# Altium PCB S7V10Logger.PcbDoc (part 1 of 2)
Units mm, origin at the board's own origin, x right, y up, seen from the top; angles counter-clockwise.
Board outline 60 x 71.5 mm, 4 copper layers (Top Layer, Ground Plane, Signal Layer 1, Bottom Layer), stack 2.08 mm thick; 77 components, 77 nets, 408 pads, 154 vias.
Unrouted connection lines stored in the file: 2.
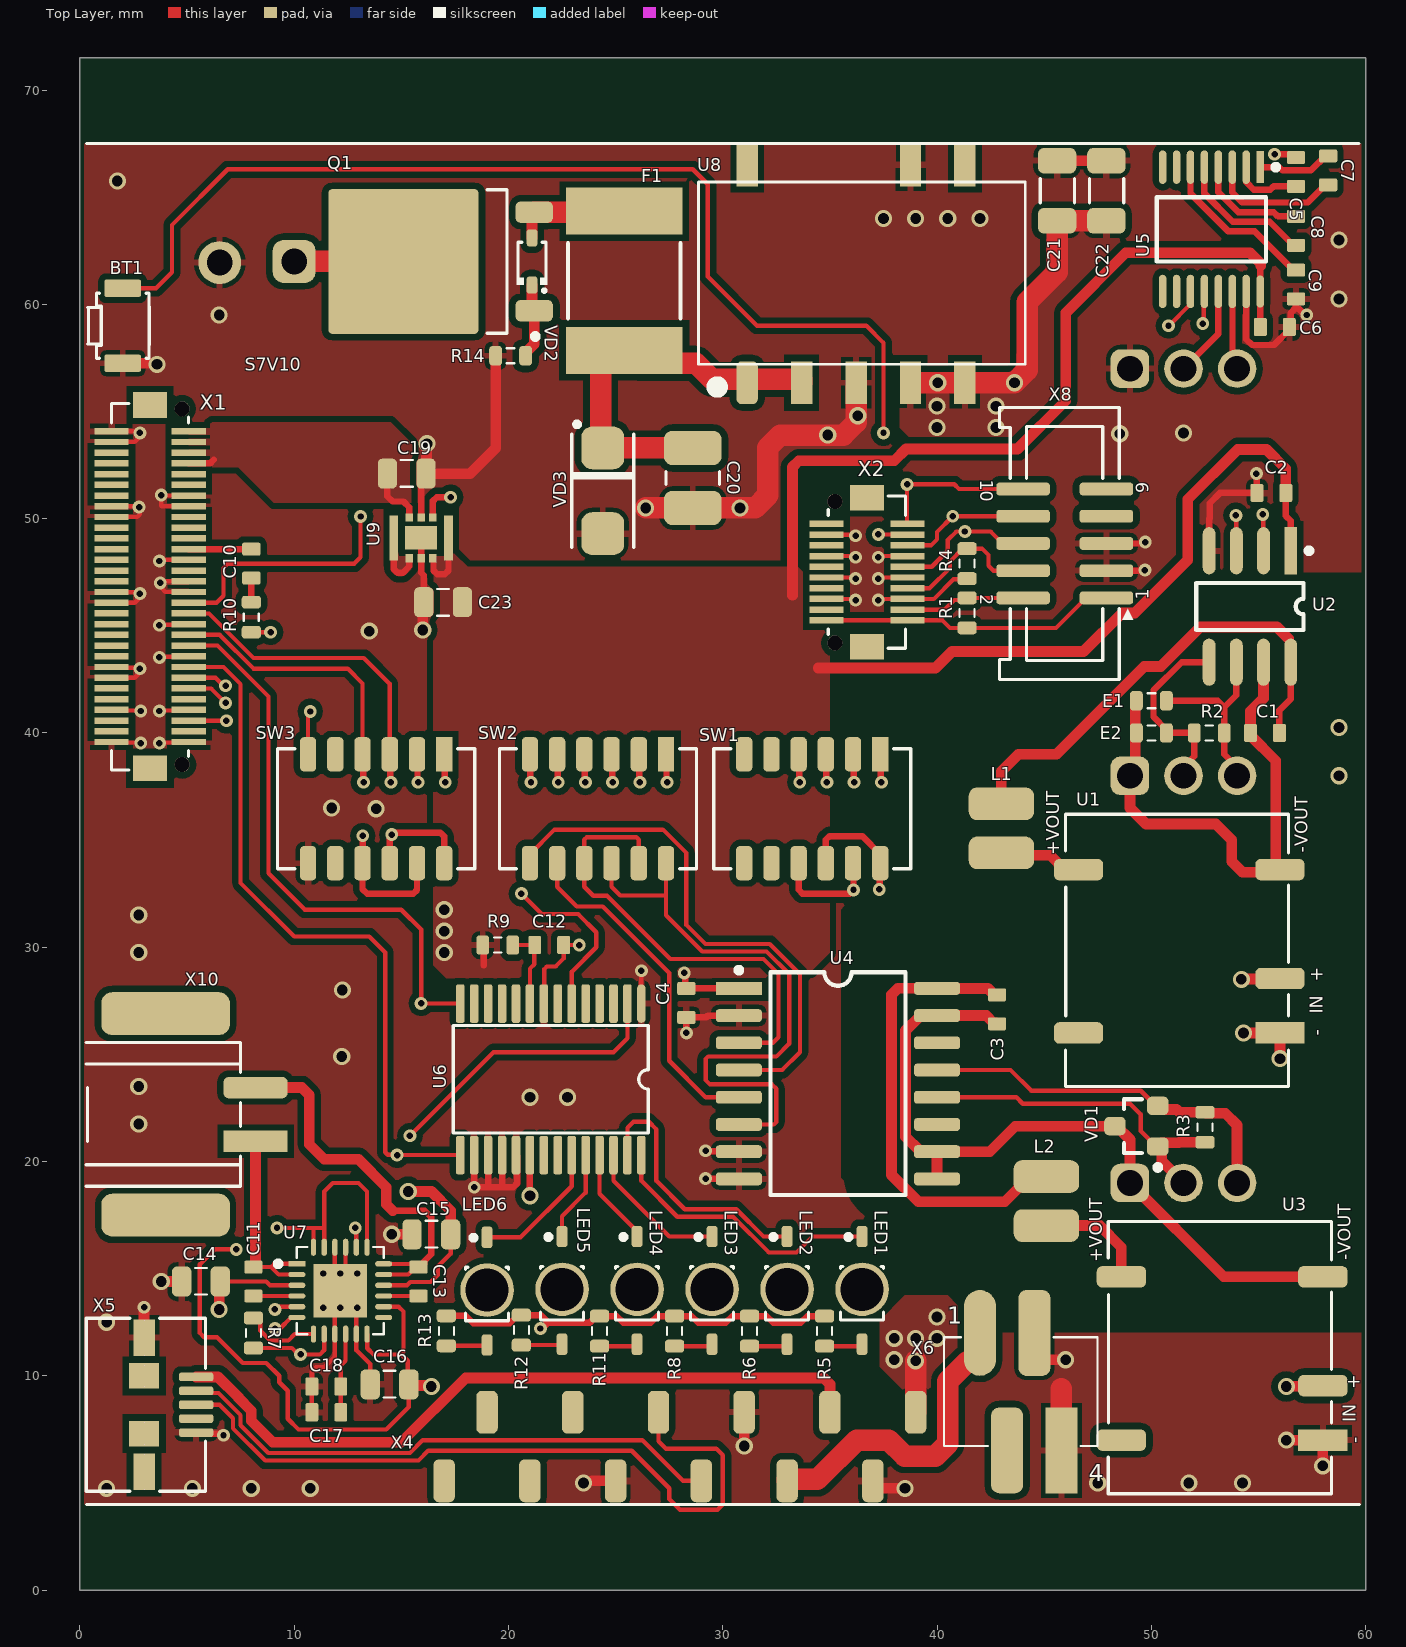
[diagram p0: Top Layer view]
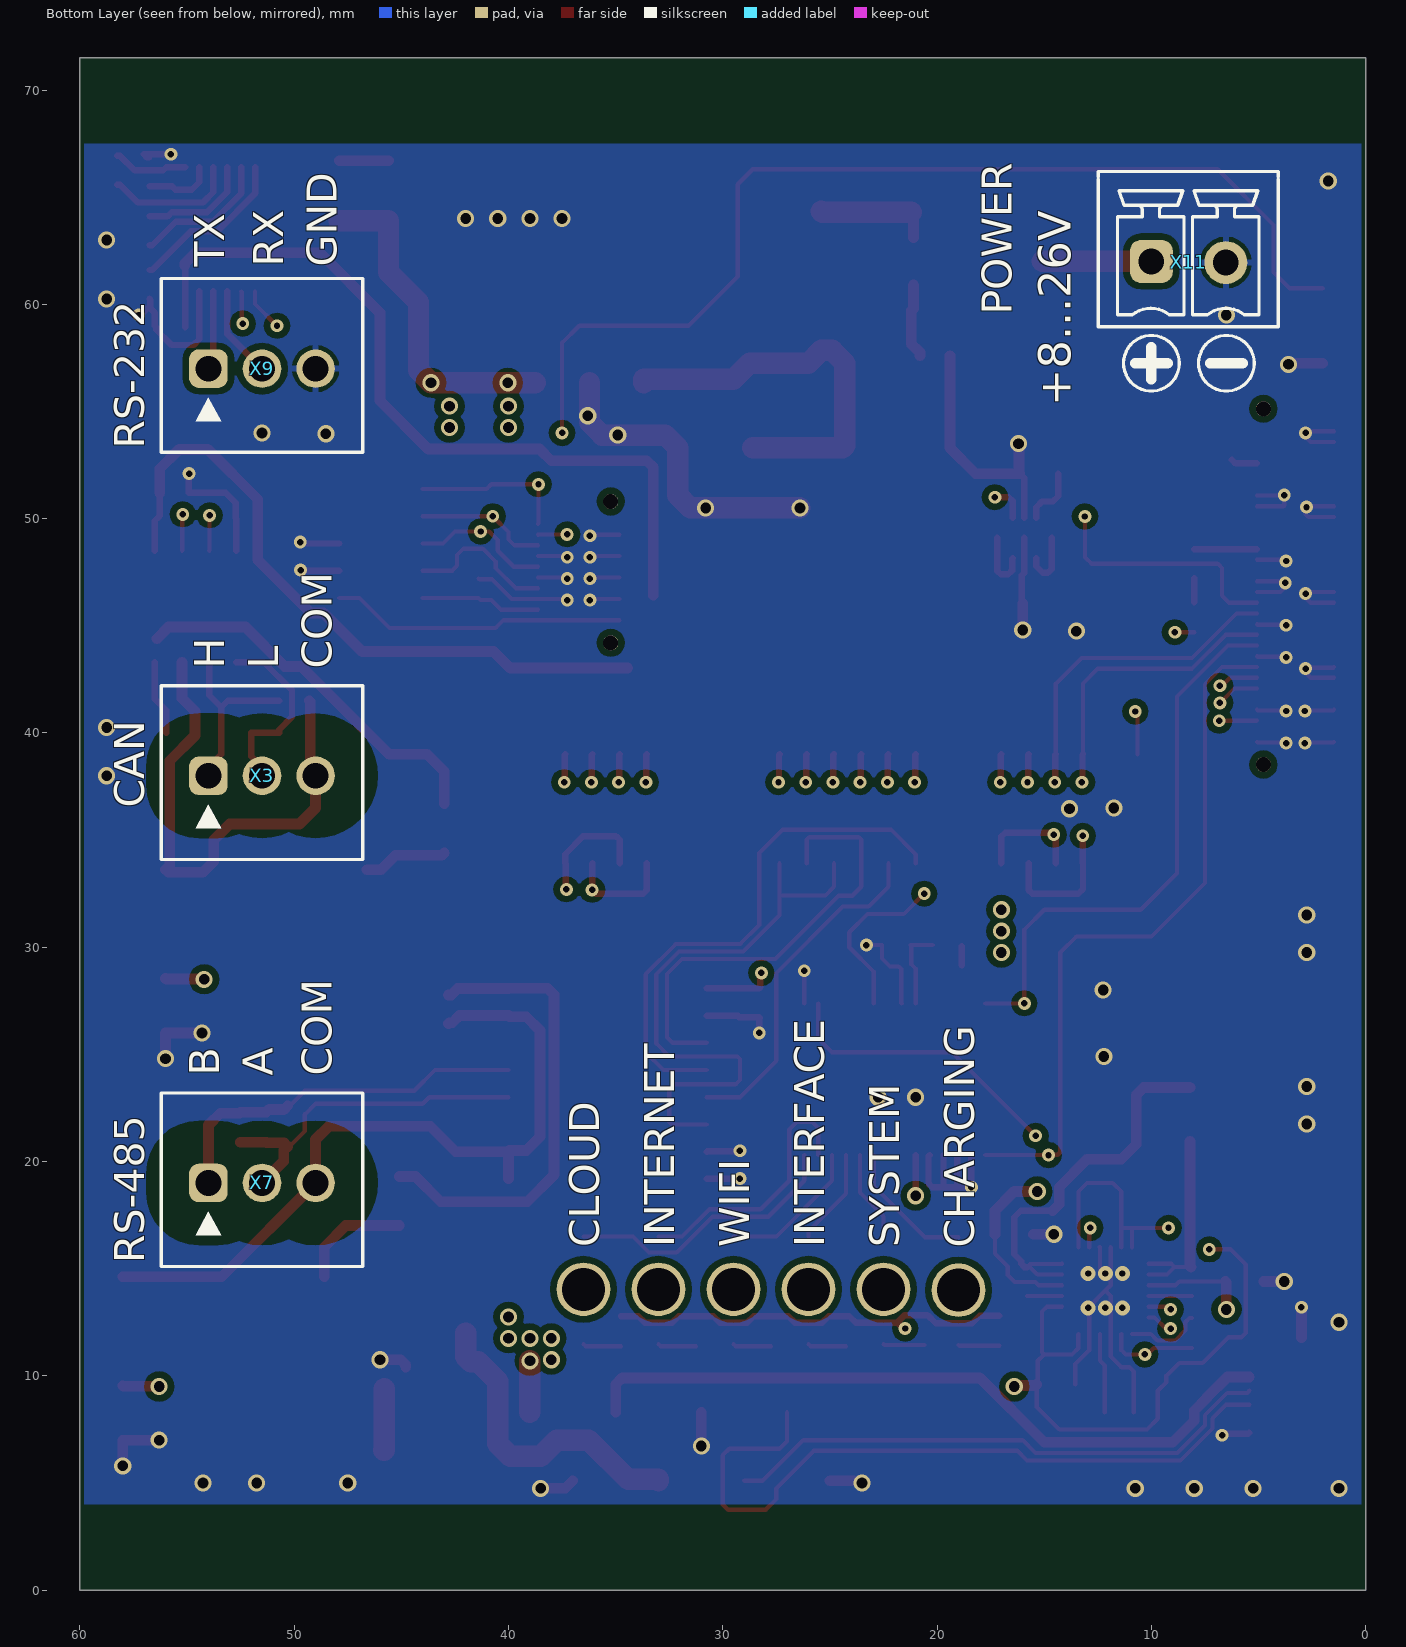
[diagram p1: Bottom Layer view, seen from below]
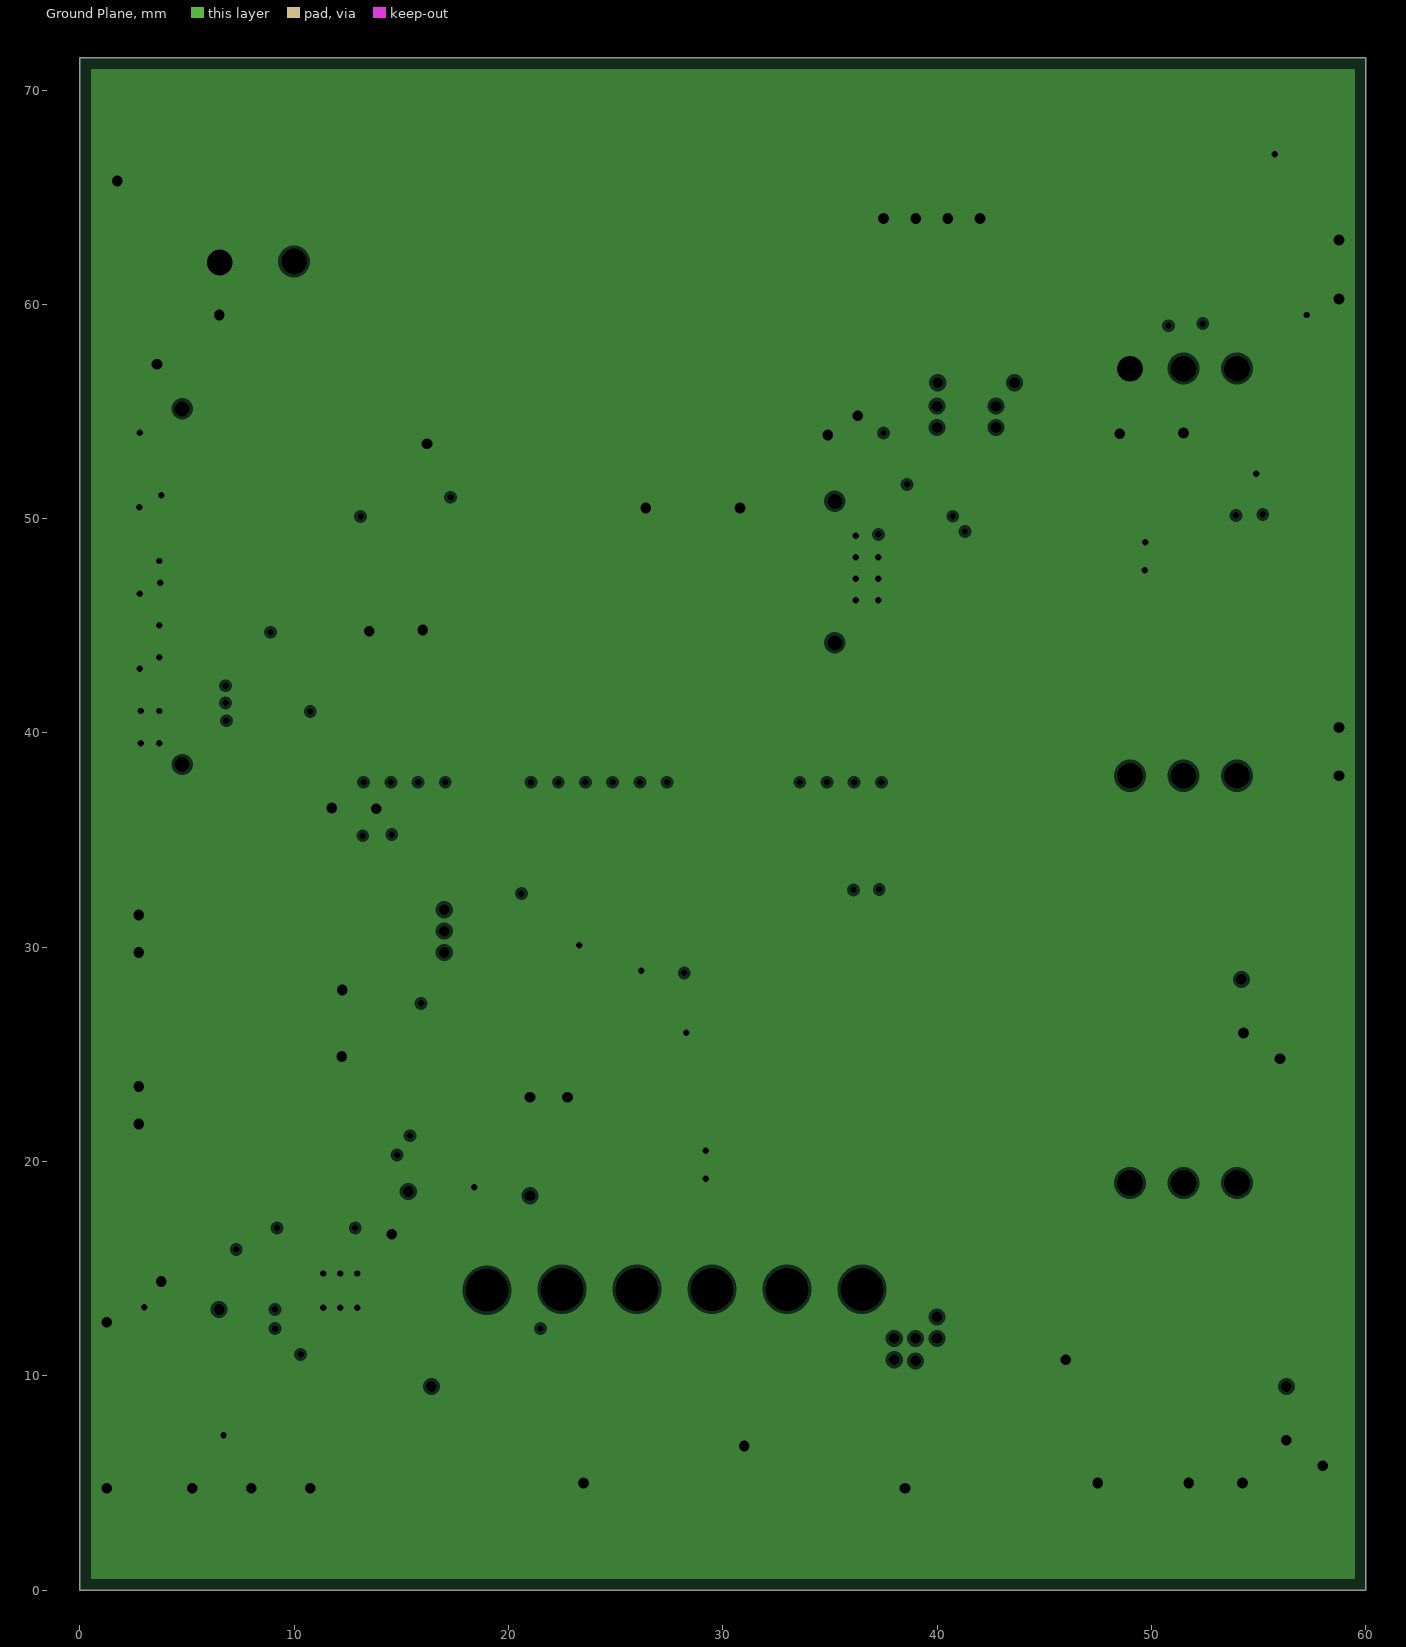
[diagram p2: Ground Plane, clearances drawn from the general rule]
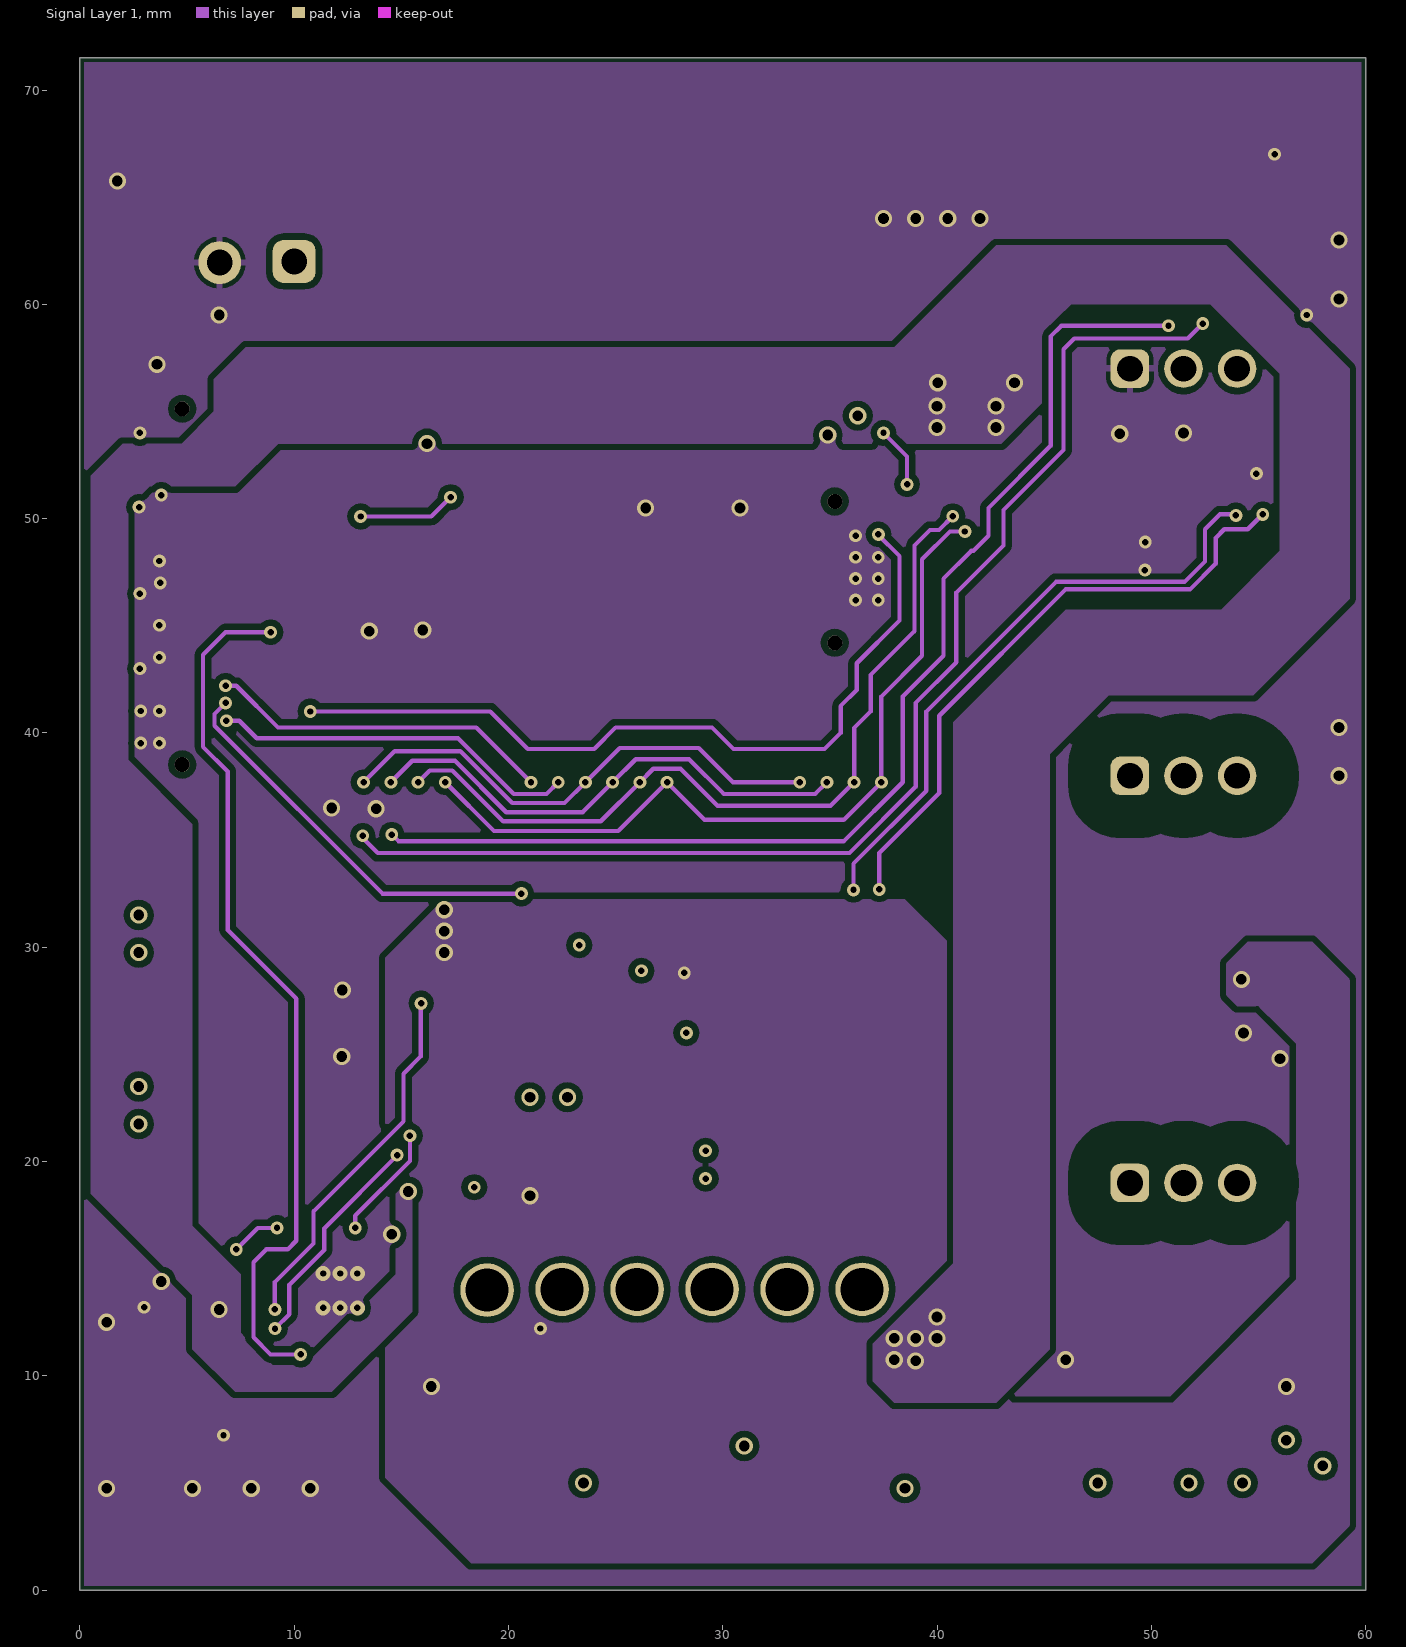
[diagram p3: Signal Layer 1]
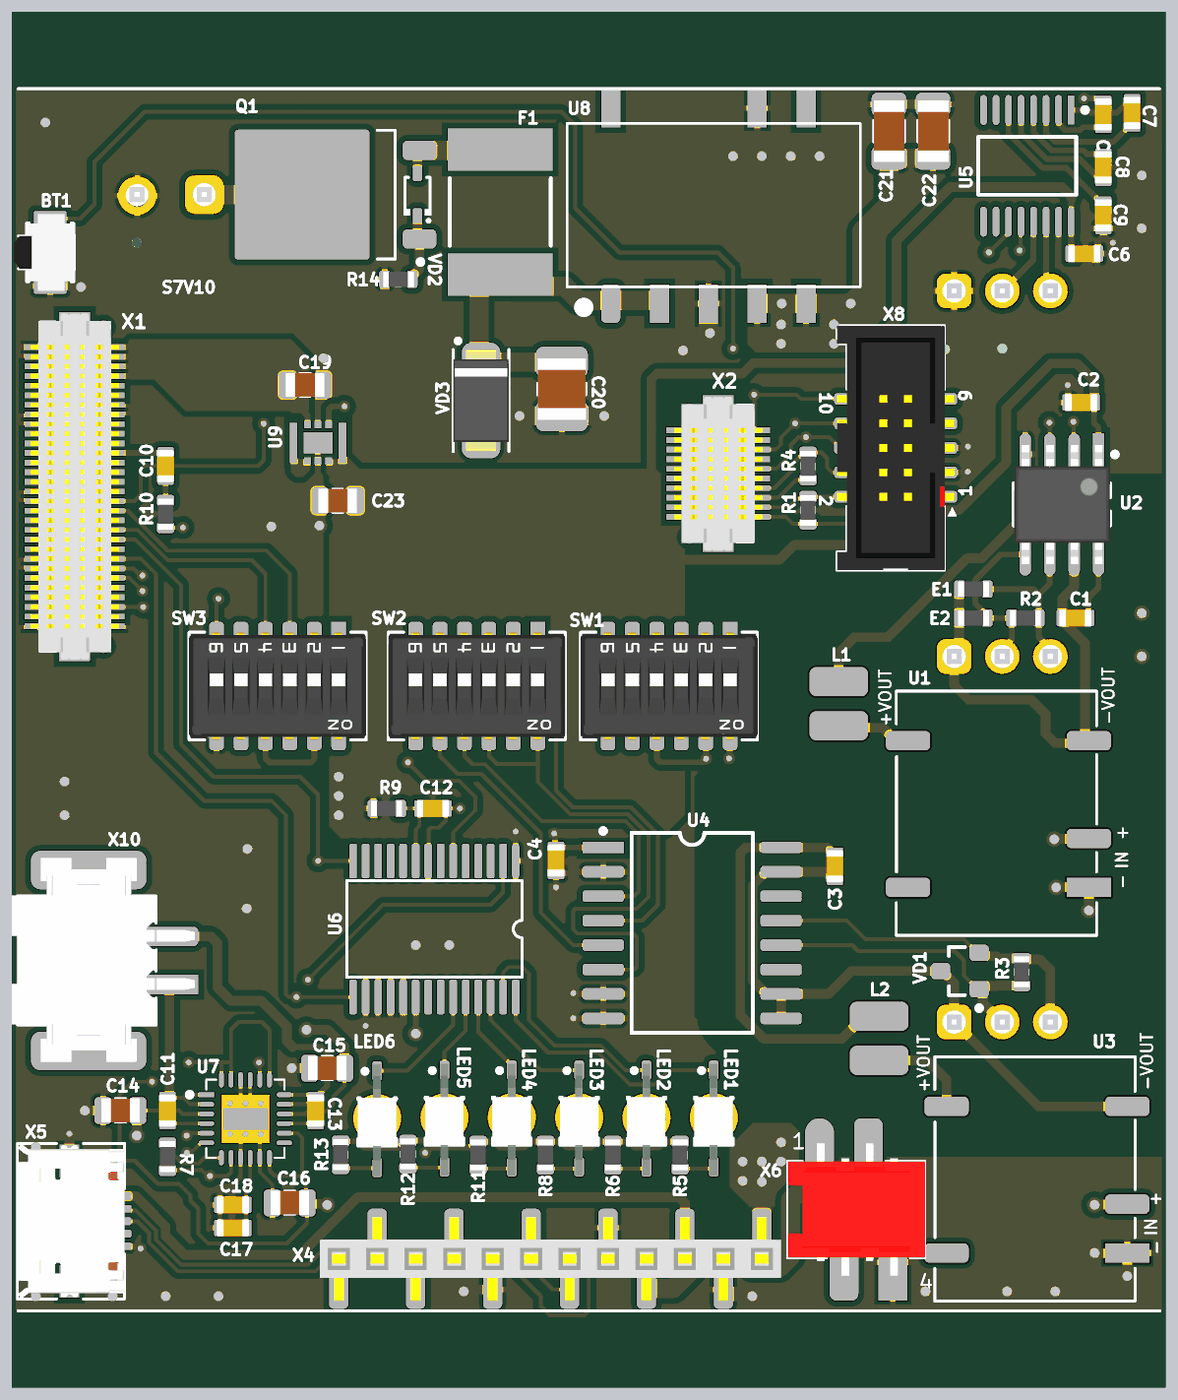
[diagram p5: 3D render of the assembled board from above, using the file's embedded part models]
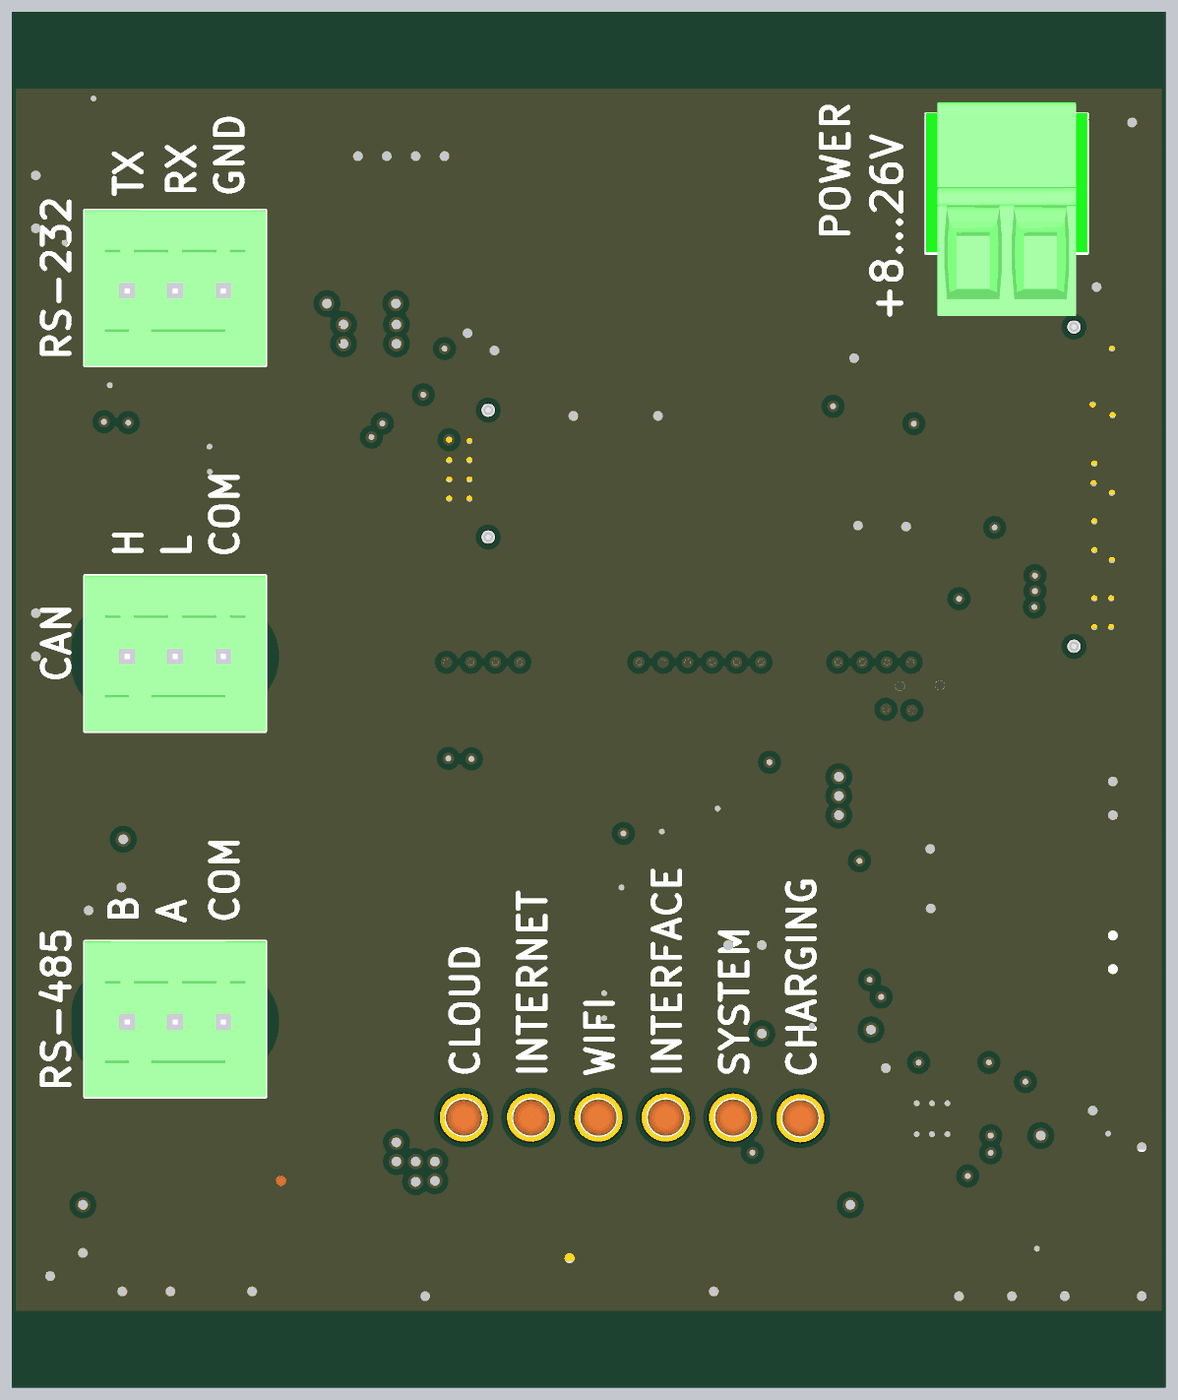
[diagram p6: 3D render of the assembled board from below, using the file's embedded part models]

## Layer stack, top to bottom
Top Solder: solder mask 0.0102, Solder Resist, Dk 3.5
Top Layer: signal copper 0.035
Dielectric 1: prepreg 0.22, FR-4, Dk 4.2
Ground Plane: plane copper 0.035, net GND
Dielectric 3: core 1.5, Dk 3.96
Signal Layer 1: signal copper 0.035
Dielectric 2: prepreg 0.22, Dk 4.2
Bottom Layer: signal copper 0.035
Bottom Solder: solder mask 0.0102, Solder Resist, Dk 3.5

## Board outline
0,0 0,71.5 60,71.5 60,0
